# Altium PCB Outdoor_Tracker_v1.0.PcbDoc (part 1 of 2)
Units mm, origin at the board's own origin, x right, y up, seen from the top; angles counter-clockwise.
Board outline 60 x 60 mm, 4 copper layers (Top Layer, L2, L3, Bottom Layer), stack 0.971 mm thick; 134 components, 109 nets, 594 pads, 661 vias.
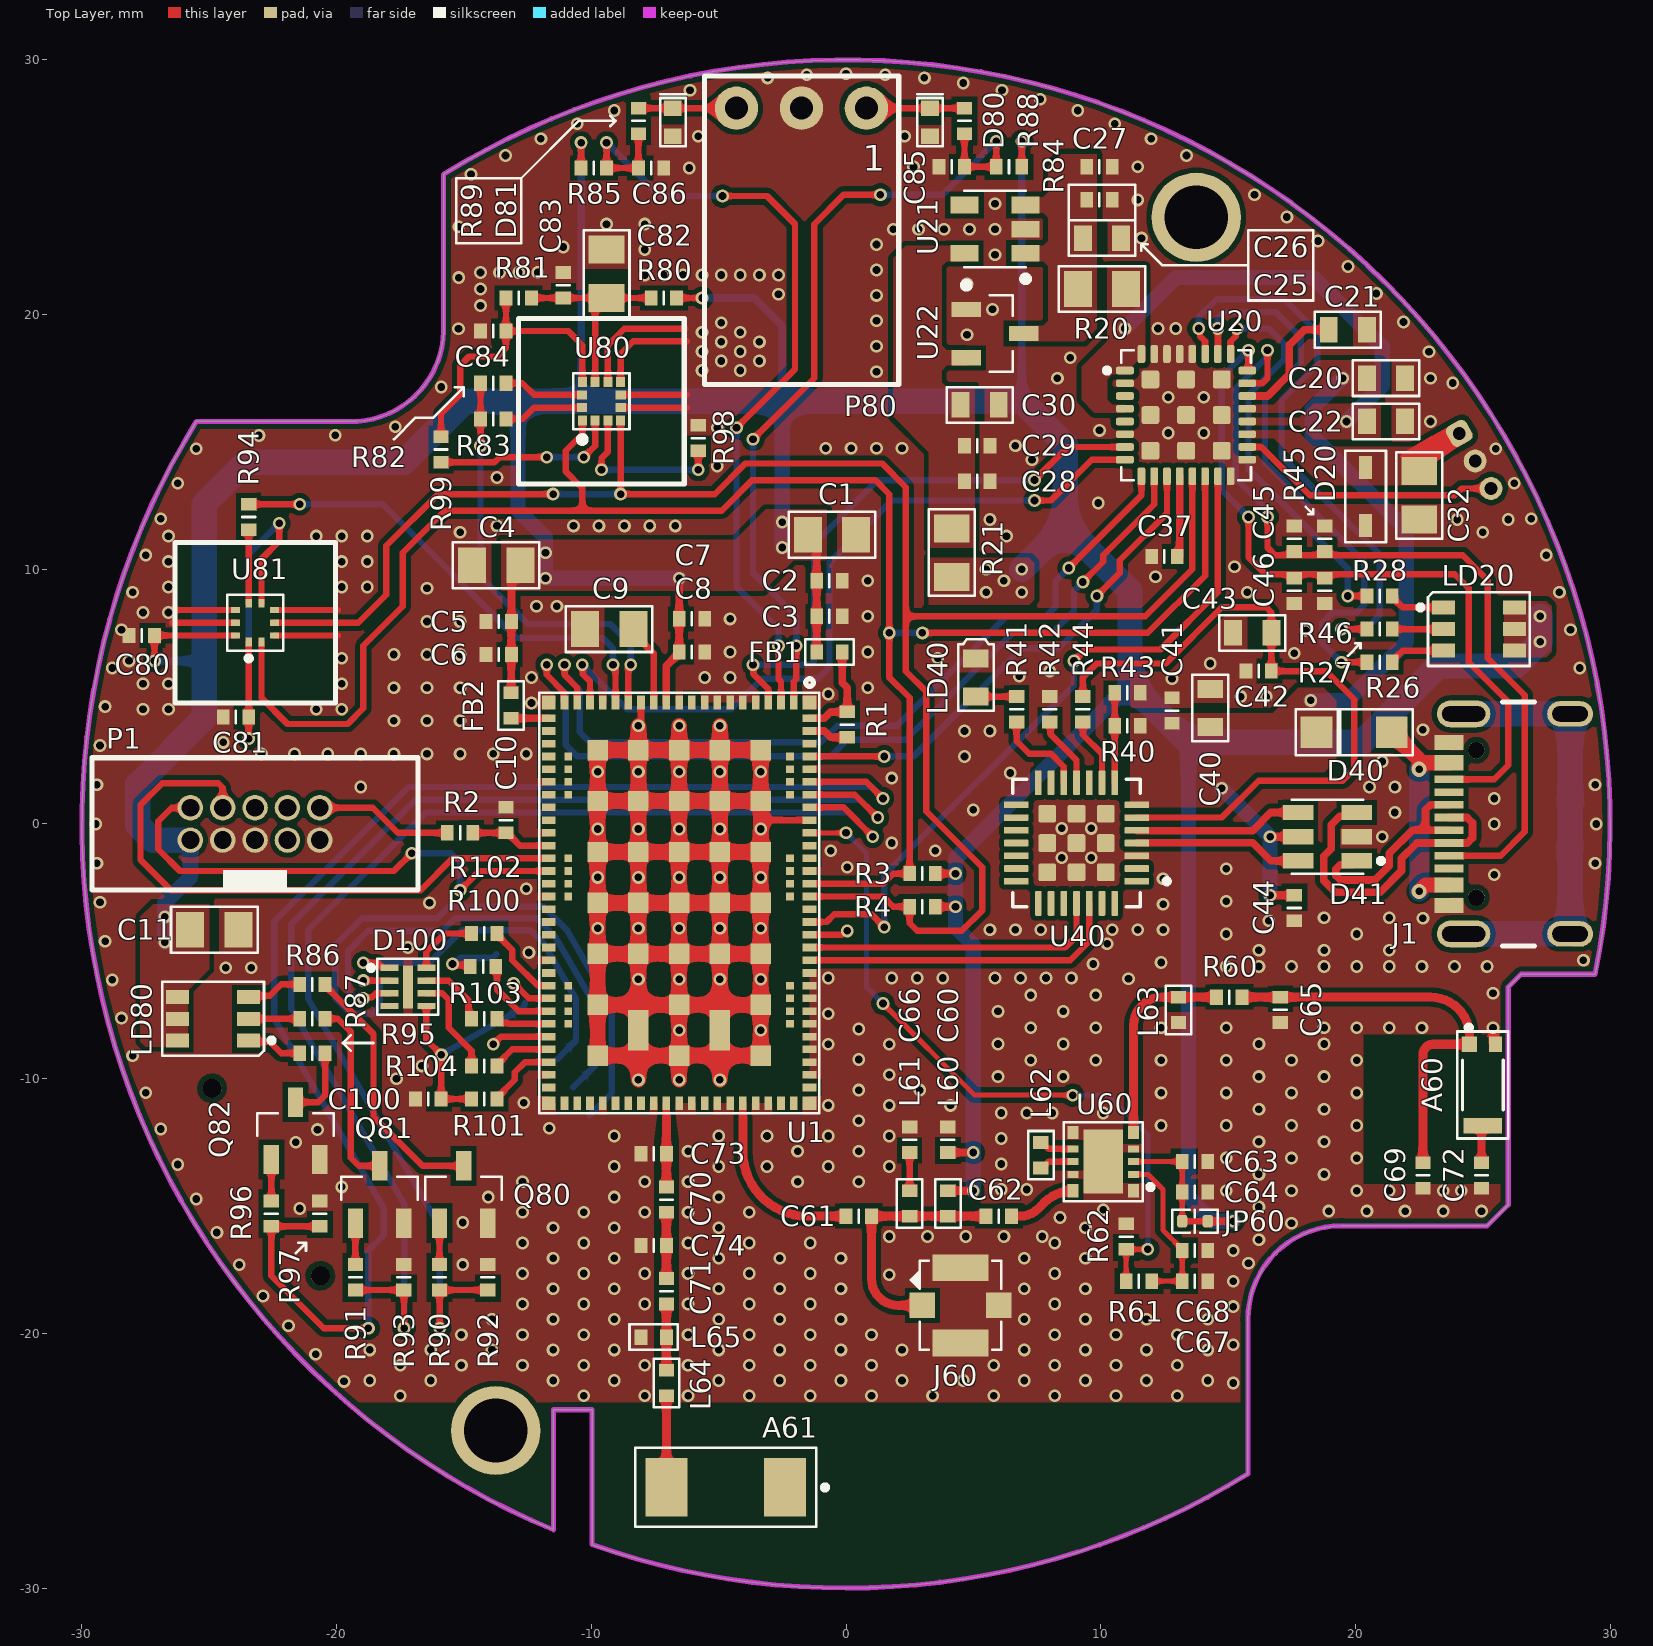
[diagram p0: Top Layer view]
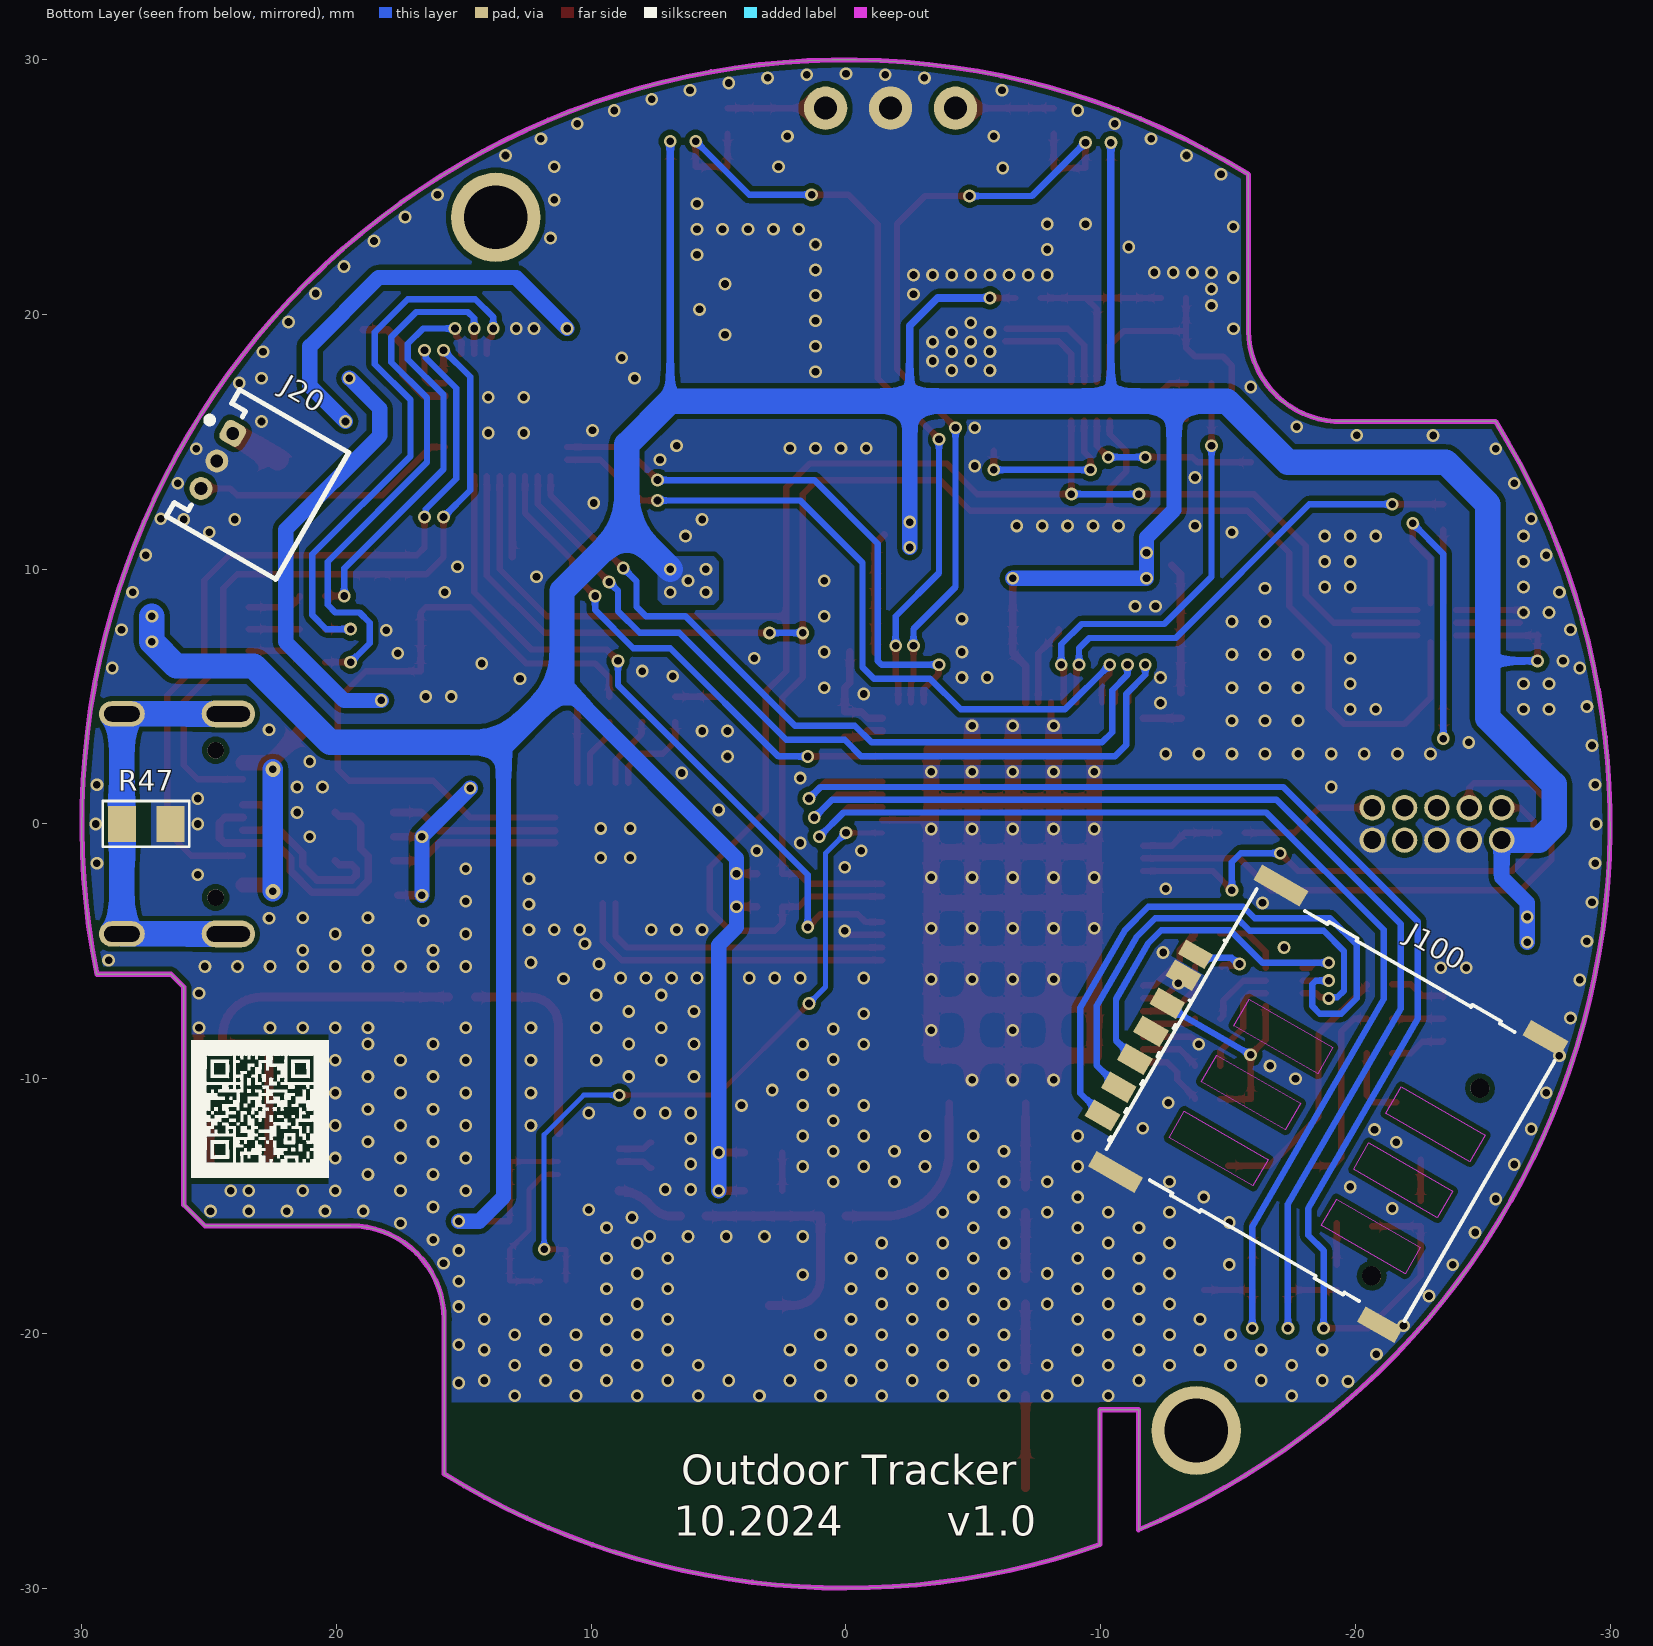
[diagram p1: Bottom Layer view, seen from below]
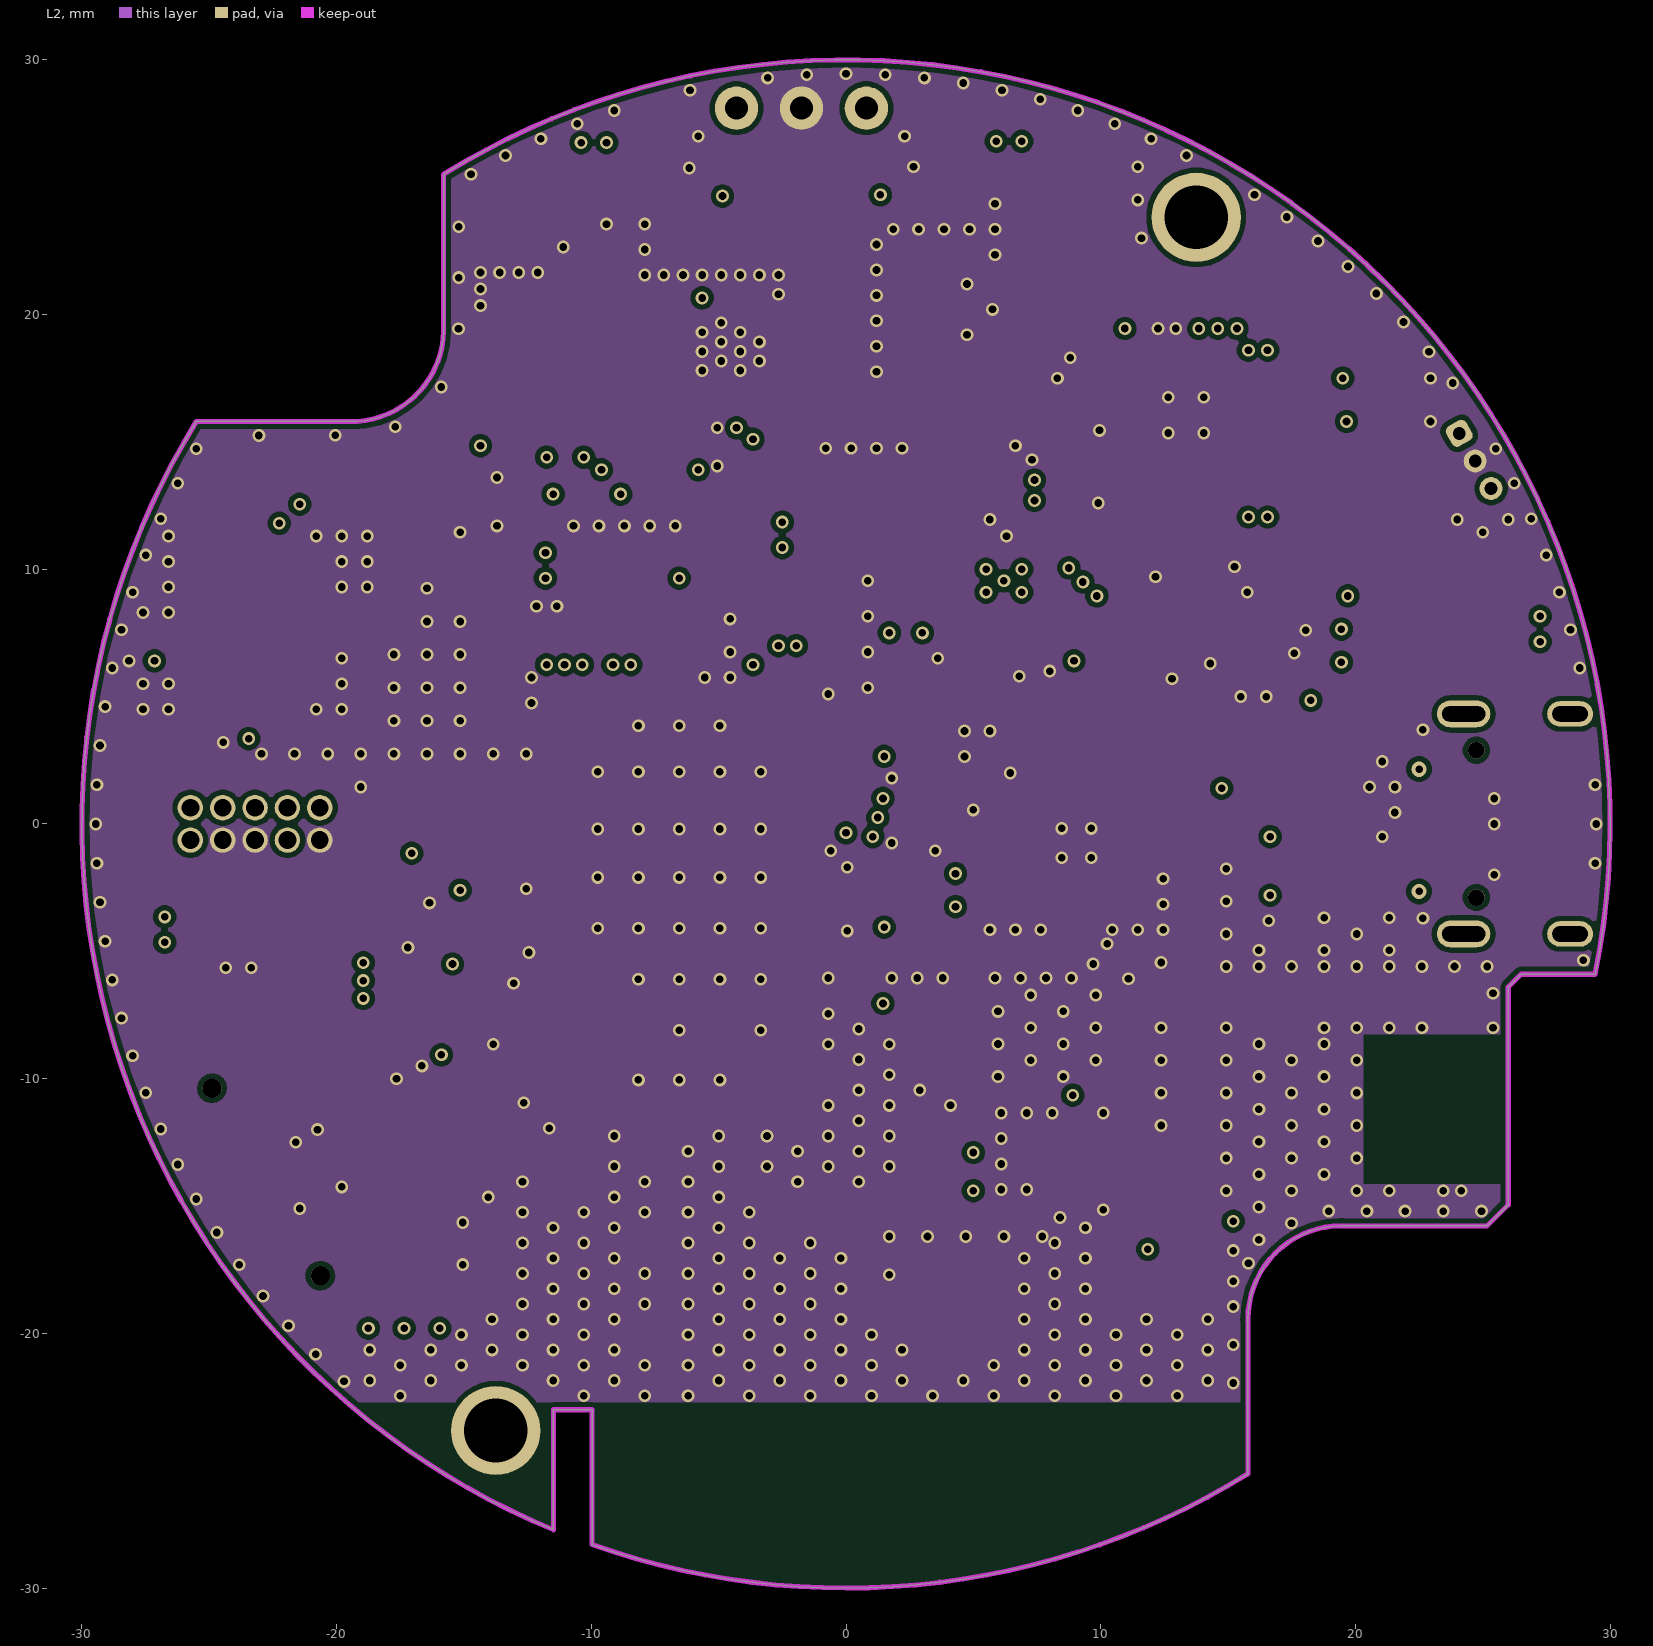
[diagram p2: L2]
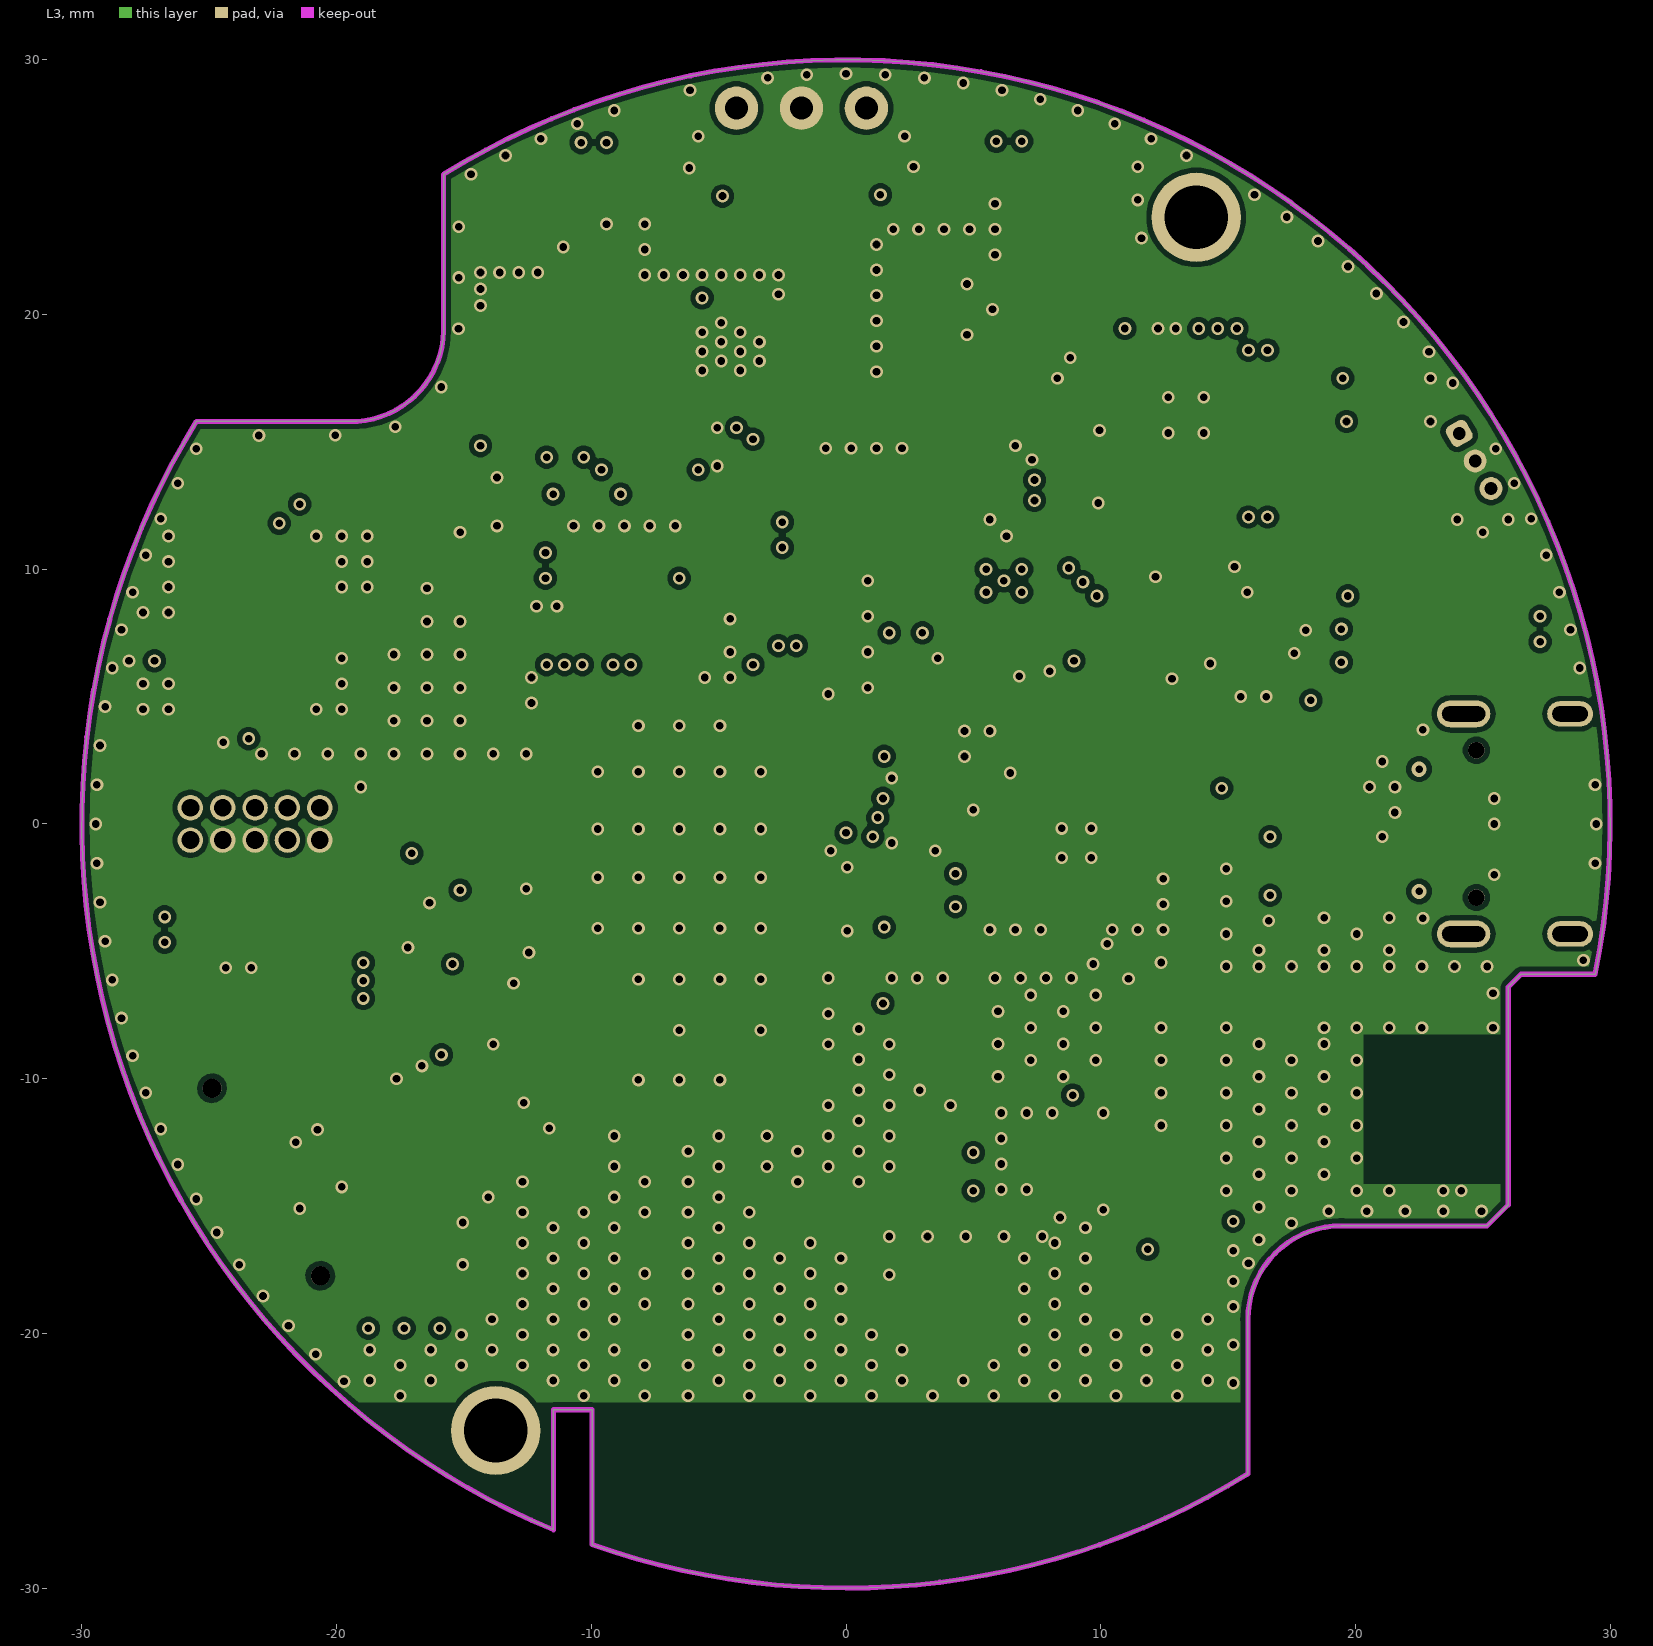
[diagram p3: L3]
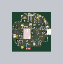
[diagram p5: 3D render of the assembled board from above, using the file's embedded part models]
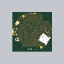
[diagram p6: 3D render of the assembled board from below, using the file's embedded part models]

## Layer stack, top to bottom
Top Solder: solder mask 0.015, Solder Resist, Dk 3.8
Top Layer: signal copper 0.035
Dielectric 2: prepreg 0.2104, PP-006, Dk 4.4
L2: signal copper 0.0152
Dielectric 1: core 0.45, FR-4, Dk 4.6
L3: signal copper 0.0152
Dielectric 3: prepreg 0.2104, PP-006, Dk 4.4
Bottom Layer: signal copper 0.035
Bottom Solder: solder mask 0.015, Solder Resist, Dk 3.8

## Board outline
-11.485,-27.714 -11.485,-23 -9.969,-23 -9.969,-28.295 ccw(c0,0) 15.781,-25.514 15.779,-25.511 15.779,-19.452 cw(c19.445,-19.445) 19.451,-15.779 25.171,-15.779 26,-14.95 26,-6.4 26.5,-5.9 29.4,-5.9 29.414,-5.903 ccw(c0,0) -15.8,25.502 -15.8,19.35 cw(c-19.425,19.425) -19.5,15.8 -25.502,15.8 ccw(c0,0)

## Design rules (kind name [scope] priority, off if disabled: settings)
Clearance Clearance_USB [InDifferentialPair('USBDIN') or InDifferentialPair('USBDOUT') vs InDifferentialPair('USBDIN') or InDifferentialPair('USBDOUT')] p1: gap=0 ignorepadtopadclearanceinfootprint=TRUE
Clearance Clearance_Sensors [InComponent('U80') or InComponent('U81')] p2: gap=0.1 ignorepadtopadclearanceinfootprint=TRUE except(0: Arc-Text Arc-Hole Track-Text Track-Hole SMDPad-Text SMDPad-Hole THPad-Text THPad-Hole Via-Text Via-Hole Fill-Text Fill-Hole Poly-Text Poly-Hole Region-Text Region-Hole Text-Text Text-Hole)
Clearance Clearance_NPM [InNamedPolygon('NPM_VBAT') or InNamedPolygon('NPM_VBUS') or InNamedPolygon('NPM_VSYS')] p3: gap=0.19 ignorepadtopadclearanceinfootprint=TRUE except(0: Arc-Text Arc-Hole Track-Text Track-Hole SMDPad-Text SMDPad-Hole THPad-Text THPad-Hole Via-Text Via-Hole Fill-Text Fill-Hole Poly-Text Poly-Hole Region-Text Region-Hole Text-Text Text-Hole)
Clearance Clearance_Sensor_I2C [InNetClass('I2C')] p4: gap=0.2 ignorepadtopadclearanceinfootprint=TRUE except(0: Arc-Text Track-Text SMDPad-Text THPad-Text Via-Text Fill-Text Poly-Text Region-Text Text-Text)
Clearance [All] p5: gap=0.2 ignorepadtopadclearanceinfootprint=TRUE except(0: Arc-Text Arc-Hole Track-Text Track-Hole SMDPad-Text SMDPad-Hole THPad-Text THPad-Hole Via-Text Via-Hole Fill-Text Fill-Hole Poly-Text Poly-Hole Region-Text Region-Hole Text-Text Text-Hole)
DiffPairsRouting DiffPairsRouting_1 [InDifferentialPair('USBDIN') or InDifferentialPair('USBDOUT')] p1: maxlimit=0.177 minlimit=0.127 mostfreqgap=0.177 toplayer_mingap=0.177 toplayer_minwidth=0.299 toplayer_maxwidth=0.299 toplayer_prefwidth=0.299 midlayer1_maxgap=0.127 midlayer1_prefgap=0.127 midlayer1_minwidth=0.151 midlayer1_maxwidth=0.151 midlayer1_prefwidth=0.151 midlayer2_maxgap=0.127 midlayer2_prefgap=0.127 midlayer2_minwidth=0.151 midlayer2_maxwidth=0.151 midlayer2_prefwidth=0.151 bottomlayer_mingap=0.177 bottomlayer_minwidth=0.299 bottomlayer_maxwidth=0.299 bottomlayer_prefwidth=0.299 impedanceprofiledriven=TRUE impedanceprofileid={310AC516-B491-4EEB-9F79-A72575A94F68} impedanceprofilevalue=90.000000 maxuncoupledlength=12.7
DiffPairsRouting [All] p2: maxlimit=0.254 minlimit=0.254 mostfreqgap=0.254 toplayer_minwidth=0.381 toplayer_maxwidth=0.381 toplayer_prefwidth=0.381 midlayer1_minwidth=0.381 midlayer1_maxwidth=0.381 midlayer1_prefwidth=0.381 midlayer2_minwidth=0.381 midlayer2_maxwidth=0.381 midlayer2_prefwidth=0.381 bottomlayer_minwidth=0.381 bottomlayer_maxwidth=0.381 bottomlayer_prefwidth=0.381 maxuncoupledlength=12.7
MinimumSolderMaskSliver [All] p1: minsoldermaskwidth=0.05
PolygonConnect [All] p1: connectstyle=Direct reliefconductorwidth=0.254 reliefentries=4 polygonreliefangle="90 Angle" airgapwidth=0.254
RoutingLayers [All] p1: top layer_v5=TRUE mid layer 1_v5=FALSE mid layer 2_v5=FALSE bottom layer_v5=TRUE
RoutingVias [All] p1: holewidth=0.3 width=0.5 viastyle="Through Hole" minholewidth=0.3 minwidth=0.45 maxholewidth=0.8 maxwidth=1.27
SilkToSilkClearance [All] p1: silktosilkclearance=0.05
SilkToSolderMaskClearance [IsPad] p1: minsilkscreentomaskgap=0.05 clearancetoexposedcopper=TRUE
SolderMaskExpansion [All] p1: expansion=0.102 istentingtop=FALSE
UnRoutedNet [All] p1: checkbadconnections=TRUE
Width Width_GPS [InNetClass('GPS')] p1: maxlimit=0.357 minlimit=0.232 preferedwidth=0.357 toplayer_minwidth=0.357 midlayer1_maxwidth=0.232 midlayer1_prefwidth=0.232 midlayer2_maxwidth=0.232 midlayer2_prefwidth=0.232 bottomlayer_minwidth=0.357 impedanceprofiledriven=TRUE impedanceprofileid={95845F3F-38EC-4963-AFE6-3A76A738672D} impedanceprofilevalue=50.000000 minimp=50.000000 maximp=50.000000 favimp=50.000000
Width Width_RF [InNetClass('LTE')] p2: maxlimit=0.357 minlimit=0.232 preferedwidth=0.357 toplayer_minwidth=0.357 midlayer1_maxwidth=0.232 midlayer1_prefwidth=0.232 midlayer2_maxwidth=0.232 midlayer2_prefwidth=0.232 bottomlayer_minwidth=0.357 impedanceprofiledriven=TRUE impedanceprofileid={95845F3F-38EC-4963-AFE6-3A76A738672D} impedanceprofilevalue=50.000000 minimp=50.000000 maximp=50.000000 favimp=50.000000
Width [All] p3: maxlimit=2 minlimit=0.15 preferedwidth=0.3
24 further rules are at their usual default settings.

## Classes and differential pairs
net class UART: RXD0 TXD0
net class SWD: SWDCLK SWDIO
net class LTE: NetA61_1 NetC70_1 NetC71_1
net class I2C: I2C_SCL I2C_SDA
net class GPS: NetC61_2 NetC62_2 NetL63_2
component class U_USB_to_UART: C40 C41 C42 C43 C44 C45 C46 D40 D41 J1 LD40 R40 R41 R42 R43 R44 R45 R46 R47 U40
component class U_SIM_Connector: C100 D100 J100 R100 R101 R102 R103 R104
component class U_Peripheral: C80 C81 C82 C83 C84 C85 C86 D80 D81 LD80 P80 Q80 Q81 Q82 R80 R81 R82 R83 R84 R85 R86 R87 R88 R89 R90 R91 R92 R93 R94 R95 R96 R97 R98 R99 U80 U81
component class U_Antennas: A60 A61 C60 C61 C62 C63 C64 C65 C66 C67 C68 C69 C70 C71 C72 C73 C74 J60 JP60 L60 L61 L62 L63 L64 L65 R60 R61 R62 U60
component class U_Power_Management: C20 C21 C22 C25 C26 C27 C28 C29 C30 C32 C37 D20 J20 LD20 R20 R21 R26 R27 R28 U20 U21 U22
component class U_nRF9161: C1 C2 C3 C4 C5 C6 C7 C8 C9 C10 C11 FB1 FB2 P1 R1 R2 R3 R4 U1
differential pair USBDOUT: +USBDOUT_P -USBDOUT_N
differential pair USBDIN: +USBDIN_P -USBDIN_N
